# Altium PCB BMS.Pcb.PcbDoc (part 3 of 3)
Units mm, origin at the board's own origin, x right, y up, seen from the top; angles counter-clockwise.
Board outline 101.6 x 152.65 mm, 2 copper layers (Top Layer, Bottom Layer); 294 components, 149 nets, 690 pads, 917 vias.
Unrouted connection lines stored in the file: 52.
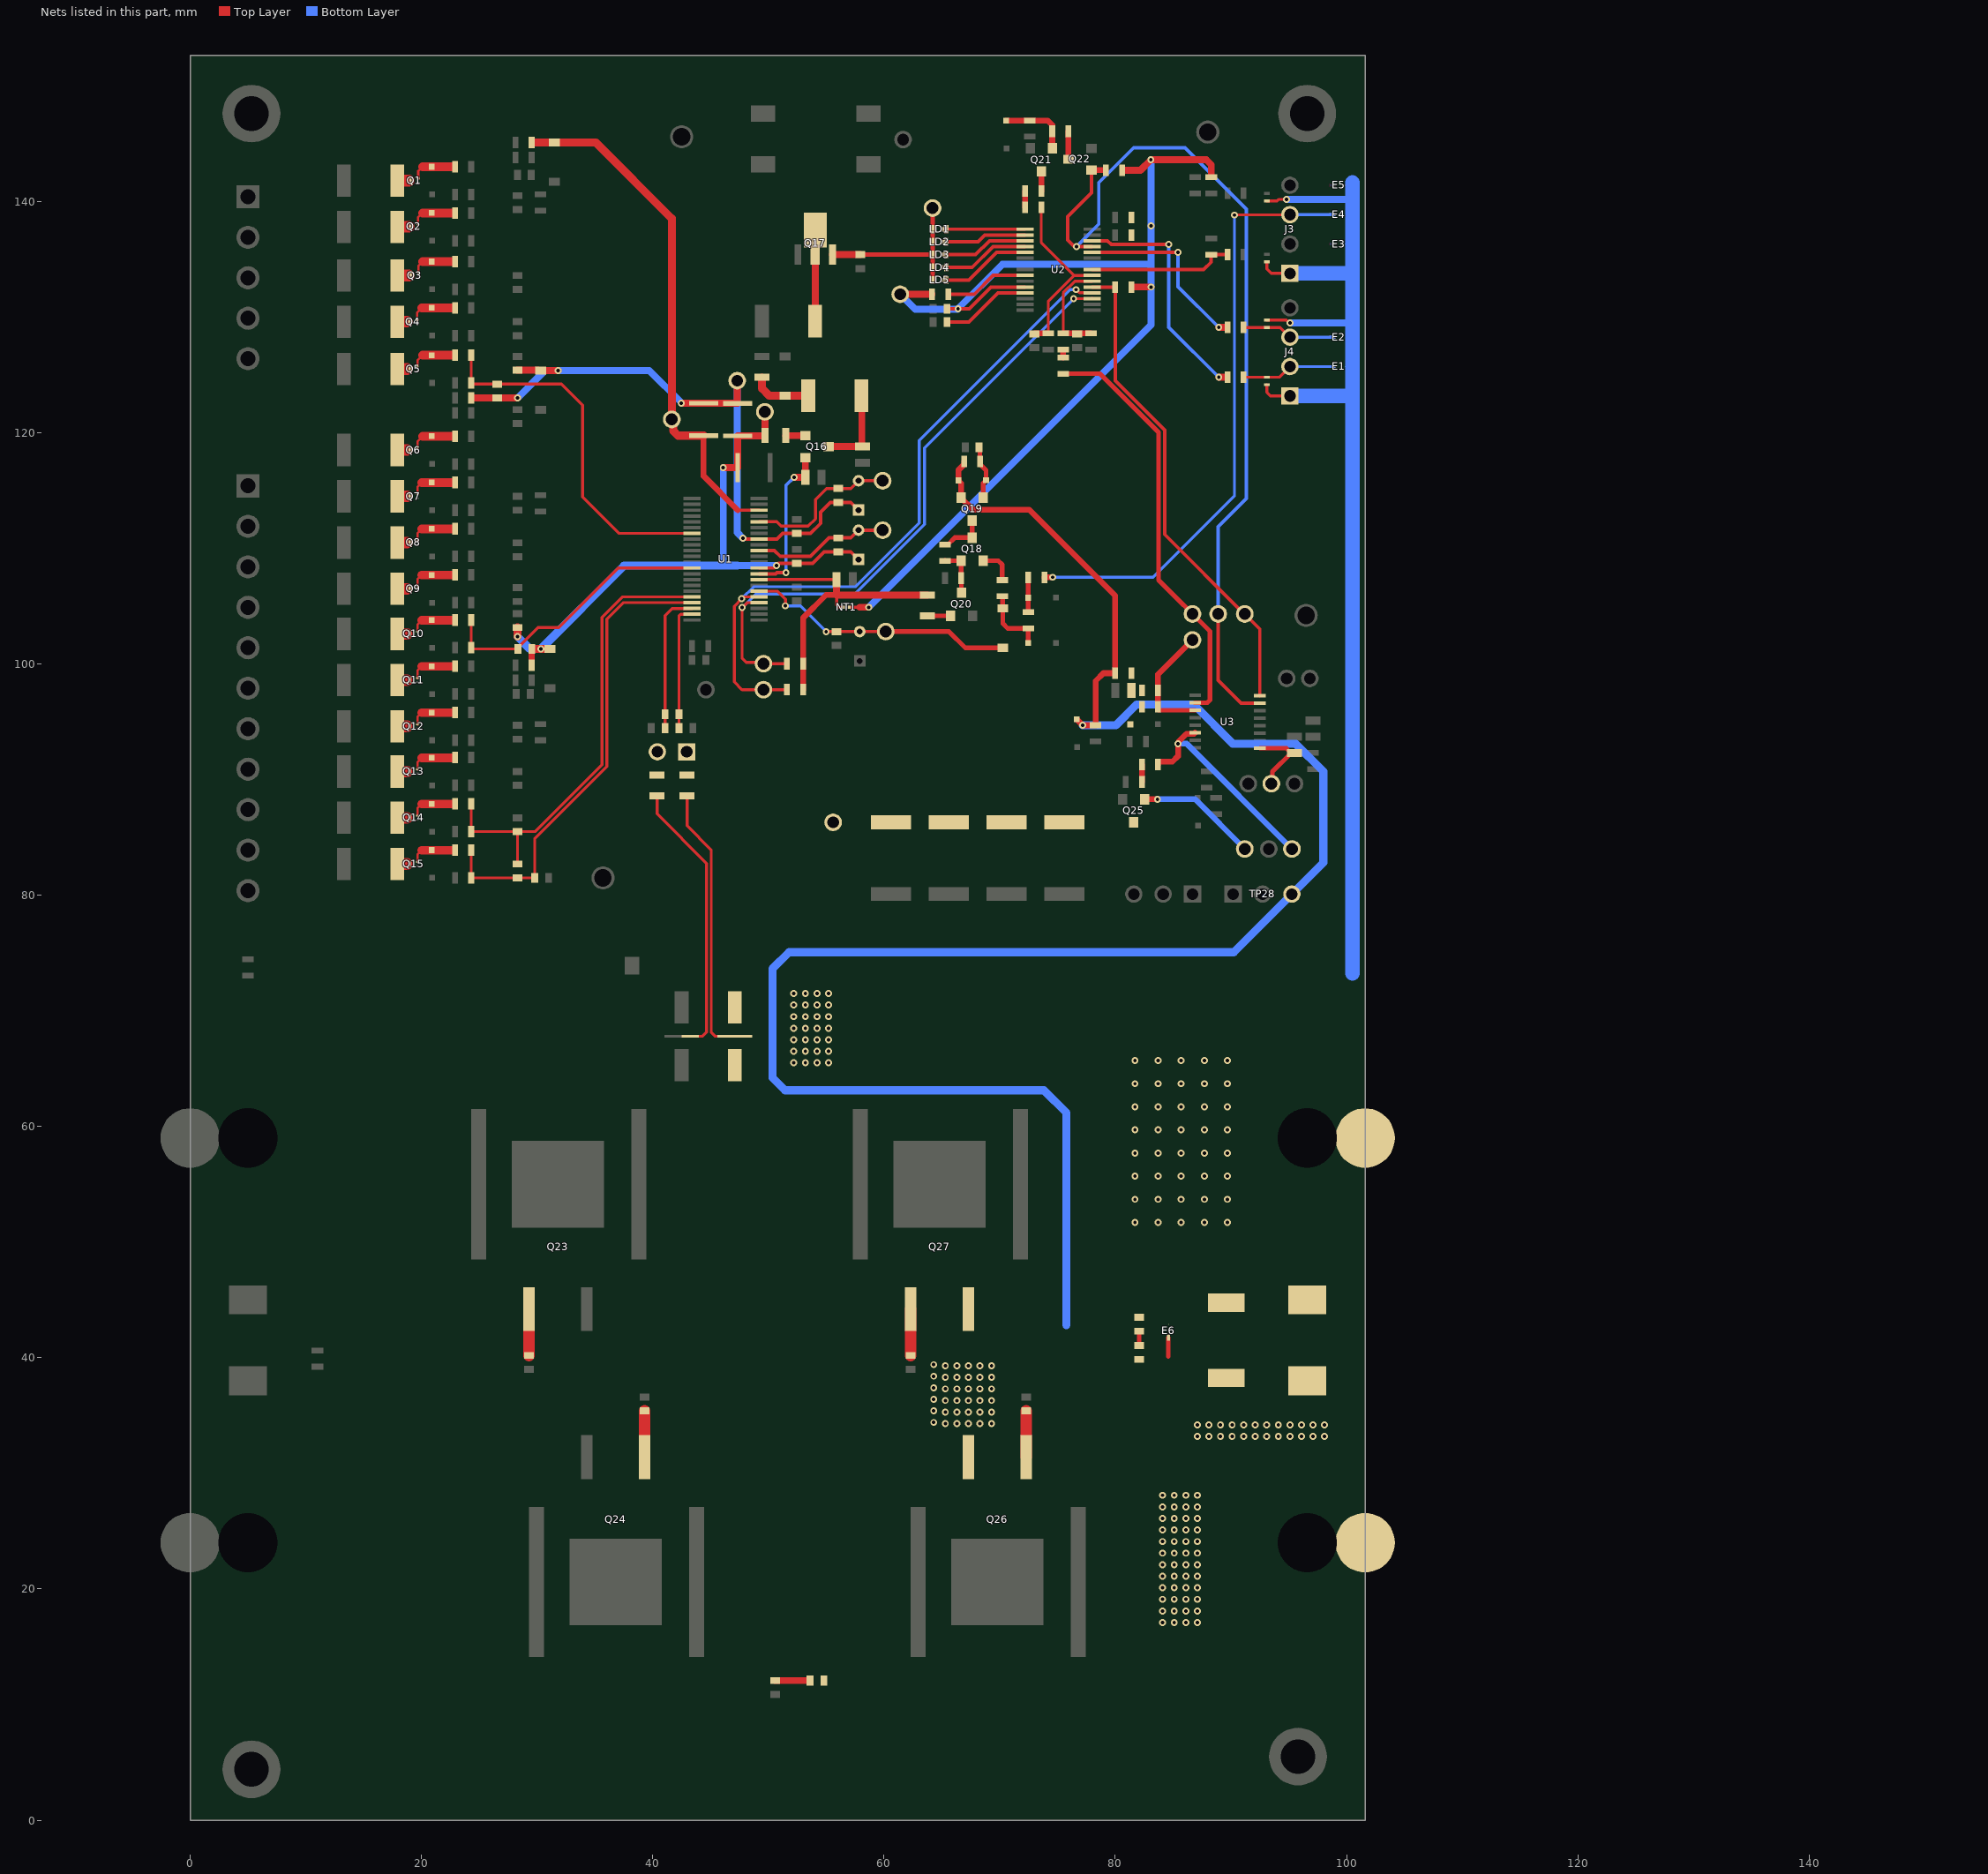
[diagram p3: the nets of this part, all layers, seen from the top]

## Via types
v1: diameter 0.6, hole 0.3, Top Layer to Bottom Layer, 917 vias

## Nets (pads, with @x,y where several pads share a name; then routed paths per layer and width w, separated by ;. In a path a pad name is that pad's centre, name@x,y a point inside that pad or via, vN(x,y) a via of type N, cw(c..) or ccw(c..) an arc to the next point about the centre after c; other vN are vias at no path point) (continued)
NetC14_1: C14.1 C15.2 R48.2 R49.2 U1.40 | length 40.2
  Top Layer w0.254: R48.2@24.3,87.9 R49.2@24.3,85.5 C14.1@28.3,85.5 ; C15.2@28.3,82.7 C14.1@28.3,85.5 ; U1.40@43.4,105.8 37.379,105.8 35.621,104.042 35.621,91.296 29.825,85.5 C14.1@28.3,85.5
NetC15_1: C15.1 C16.2 R50.2 R51.2 U1.41 | length 40.8
  Top Layer w0.254: R50.2@24.3,83.9 R51.2@24.3,81.5 C15.1@28.3,81.5 C16.2@29.8,81.5 29.8,84.904 36.025,91.129 36.025,103.875 37.45,105.3 U1.41@43.4,105.3
NetC17_2: C17.2 R26.2 R27.2 U1.29 | length 31.5
  Top Layer w0.254: R26.2@24.3,126.705 R27.2@24.3,124.305 24.405,124.2 C17.2@26.55,124.2 32.1,124.2 33.93,122.37 33.93,114.438 37.068,111.3 U1.29@43.4,111.3
NetC18_2: C18.2 R38.2 R39.2 U1.35 | length 24.3
  Top Layer w0.254: R38.2@24.3,103.8 R39.2@24.3,101.4 24.4,101.3 C18.2@28.175,101.3 ; C18.2@28.35,101.3 28.35,101.425 30.075,103.15 31.872,103.15 37.022,108.3 U1.35@43.4,108.3
NetC33_2: C33.2 Q16.2 U1.9 | length 13.6
  Top Layer w0.3: U1.9@49.2,107.8 50.625,107.8 50.725,107.9 v1(51.525,107.9)
  Top Layer w0.6: v1(52.225,116.15) C33.2@53.2,116.15 Q16.2@53.2,117.85
  Bottom Layer w0.3: v1(51.525,107.9) 51.525,115.45 v1(52.225,116.15)
NetC34_2: C34.2 Q16.3 R62.1 | length 7.3
  Top Layer w0.6: Q16.3@55.2,118.8 C34.2@58.087,118.8 ; R62.1@58.05,123.2 58.087,123.162 58.087,118.838 C34.2@58.125,118.8
NetC35_2: C35.2 LD1.2 LD2.2 LD3.2 LD4.2 LD5.2 Q17.3 TP16.1 | length 14.9
  Top Layer w0.4: C35.2@57.95,135.4 LD3.2@64.2,135.4 ; LD5.2@64.2,133.2 LD4.2@64.2,134.3 LD3.2@64.2,135.4 ; TP16.1@64.2,139.425 LD1.2@64.2,137.6 LD2.2@64.2,136.5 LD3.2@64.2,135.4
  Top Layer w0.6: Q17.3@55.55,135.4 C35.2@57.95,135.4
NetC36_2: C36.2 D23.2 Q19.1 R65.1 | length 4.7
  Top Layer w0.4: C36.2@68.225,118.725 68.292,118.658 68.292,117.283 68.825,116.75 D23.2@68.825,115.9 68.575,115.65 Q19.1@68.575,114.395
NetC37_2: C37.2 R77.2 R81.2 U2.7 | length 15.8
  Top Layer w0.254: R77.2@73.6,139.5 73.6,136.438 76.438,133.6 ; R81.2@74.2,128.6 74.2,131.362 76.438,133.6 ; U2.7@78,133.6 76.438,133.6
  Top Layer w0.5: C37.2@73,128.55 73.05,128.6 R81.2@74.2,128.6
NetC38_2: C38.2 R83.1 R84.2 U2.6 | length 8.8
  Top Layer w0.254: R83.1@75.5,128.6 75.5,132.091 76.509,133.1 U2.6@78,133.1
  Top Layer w0.5: R83.1@75.5,128.6 R84.2@77.9,128.6
NetC40_2: C40.2 U2.27 | length 7.8
  Top Layer w0.3: C40.2@65.45,129.575 67.337,129.575 69.862,132.1 U2.27@72.2,132.1
NetC43_1: C43.1 C44.2 | length 3
  Top Layer w0.6: C43.1@50.6,12.075 C44.2@53.6,12.075
NetC45_2: C45.2 R106.2 R108.1
NetC46_1: C46.1 C47.2 | length 1.3
  Top Layer w0.381: C47.2@82.075,41.05 C46.1@82.075,42.3
NetD1_1: D1.1 Q10.1 R38.1 | length 3.8
  Top Layer w0.2: Q10.1@19.65,102.763 Q10.1@19.65,102.775 19.65,103.413 20.025,103.788
  Top Layer w0.75: 20.025,103.788 22.625,103.788
NetD2_1: D2.1 Q1.1 R18.1 | length 3.7
  Top Layer w0.2: Q1.1@19.725,141.975 19.725,142.625 20.1,143
  Top Layer w0.75: 20.1,143 D2.1@20.9,143 22.625,143
NetD3_1: D3.1 Q2.1 R20.1 | length 3.7
  Top Layer w0.2: Q2.1@19.7,138 19.7,138.6 20.1,139
  Top Layer w0.75: 20.1,139 D3.1@20.9,139 22.625,139
NetD4_1: D4.1 Q3.1 R22.1 | length 3.7
  Top Layer w0.2: Q3.1@19.75,133.775 19.75,134.45 20.1,134.8
  Top Layer w0.75: 20.1,134.8 D4.1@20.9,134.8 22.625,134.8
NetD5_1: D5.1 Q4.1 R24.1 | length 3.8
  Top Layer w0.2: Q4.1@19.625,129.77 19.625,130.383 20.025,130.782
  Top Layer w0.75: 20.025,130.782 22.625,130.782
NetD6_1: D6.1 Q6.1 R30.1 | length 3.7
  Top Layer w0.2: Q6.1@19.65,118.675 19.65,119.25 20.1,119.7
  Top Layer w0.75: 20.1,119.7 22.625,119.7
NetD7_1: D7.1 Q7.1 R32.1 | length 3.8
  Top Layer w0.2: Q7.1@19.65,114.662 Q7.1@19.65,114.675 19.65,115.312 20.025,115.687
  Top Layer w0.75: 20.025,115.687 22.626,115.687
NetD8_1: D8.1 Q8.1 R34.1 | length 3.8
  Top Layer w0.2: Q8.1@19.65,110.662 19.65,111.313 20.025,111.687
  Top Layer w0.75: 20.025,111.687 22.625,111.687
NetD9_1: D9.1 Q9.1 R36.1 | length 3.8
  Top Layer w0.2: Q9.1@19.65,106.662 Q9.1@19.65,106.675 19.65,107.312 20.025,107.687
  Top Layer w0.75: 20.025,107.687 22.625,107.687
NetD10_1: D10.1 Q11.1 R42.1 | length 3.8
  Top Layer w0.2: Q11.1@19.65,98.763 Q11.1@19.65,98.775 19.65,99.413 20.025,99.788
  Top Layer w0.75: 20.025,99.788 22.625,99.788
NetD11_1: D11.1 Q12.1 R44.1 | length 4.5
  Top Layer w0.2: Q12.1@19.65,94.763 Q12.1@19.65,94.775 19.65,95.413 20.025,95.788 ; 20.2,95.8 D11.1@20.9,95.8
  Top Layer w0.75: 20.025,95.788 R44.1@22.661,95.788
NetD12_1: D12.1 Q13.1 R46.1 | length 3.8
  Top Layer w0.2: Q13.1@19.65,90.863 Q13.1@19.65,90.875 19.65,91.513 20.025,91.888
  Top Layer w0.75: 20.025,91.888 22.625,91.888
NetD13_1: D13.1 Q14.1 R48.1 | length 4.5
  Top Layer w0.2: Q14.1@19.65,86.863 Q14.1@19.65,86.875 19.65,87.513 20.025,87.888 ; 20.2,87.9 D13.1@20.9,87.9
  Top Layer w0.75: 20.025,87.888 22.625,87.888
NetD14_1: D14.1 Q15.1 R50.1 | length 3.8
  Top Layer w0.2: Q15.1@19.65,82.863 Q15.1@19.65,82.875 19.65,83.513 20.025,83.888
  Top Layer w0.75: 20.025,83.888 22.625,83.888
NetD15_1: D15.1 Q5.1 R26.1 | length 3.7
  Top Layer w0.2: Q5.1@19.65,125.68 19.65,126.255 20.1,126.705
  Top Layer w0.75: 20.1,126.705 22.625,126.705
NetD19_1: D19.1 R61.1 R62.2 | length 5.2
  Top Layer w0.7: R61.1@49.45,124.741 49.45,123.825 50.075,123.2 D19.1@51.45,123.2 R62.2@53.45,123.2
NetD20_2: D20.2 D21.1 R64.1 R66.1 | length 6
  Top Layer w0.4: R64.1@70.225,105.85 70.25,105.825 70.25,104.825 D20.2@70.275,104.8 70.275,103.5 70.7,103.075 R66.1@72.475,103.075 D21.1@72.475,101.8
NetD22_1: D22.1 R66.2 R68.1 | length 3
  Top Layer w0.4: R66.2@72.475,104.475 D22.1@72.475,105.725 R68.1@72.475,107.475
NetD28_2: D28.2 Q21.1 R80.1 R85.1 | length 5.9
  Top Layer w0.5: D28.2@70.575,147 R80.1@72.4,147 ; R80.1@72.6,147 74.15,147 74.55,146.6 74.55,145.825 Q21.1@74.55,144.6
NetD31_2: D31.2 R105.1
NetL1_2: L1.2 Q23.1 | length 4
  Top Layer w1: L1.2@29.3,40.2 Q23.1@29.3,44.2
NetL2_2: L2.2 Q24.1 | length 4
  Top Layer w1: Q24.1@39.3,31.4 L2.2@39.3,35.4
NetL3_2: L3.2 Q26.1 | length 4
  Top Layer w1: Q26.1@72.3,31.4 L3.2@72.3,35.4
NetL4_2: L4.2 Q27.1 | length 4
  Top Layer w1: L4.2@62.3,40.2 Q27.1@62.3,44.2
NetLD1_1: LD1.1 U2.16 | length 6.8
  Top Layer w0.3: LD1.1@65.4,137.6 U2.16@72.2,137.6
NetLD2_1: LD2.1 U2.17 | length 7
  Top Layer w0.3: LD2.1@65.4,136.5 68.125,136.5 68.725,137.1 U2.17@72.2,137.1
NetLD3_1: LD3.1 U2.18 | length 7.3
  Top Layer w0.3: LD3.1@65.4,135.4 67.925,135.4 69.125,136.6 U2.18@72.2,136.6
NetLD4_1: LD4.1 U2.19 | length 7.5
  Top Layer w0.3: LD4.1@65.4,134.3 67.625,134.3 69.425,136.1 U2.19@72.2,136.1
NetLD5_1: LD5.1 U2.20 | length 7.8
  Top Layer w0.3: LD5.1@65.4,133.2 67.325,133.2 69.725,135.6 U2.20@72.2,135.6
NetNT3_2: NT3.2 R56.1 | length 23.7
  Top Layer w0.254: R56.1@40.37,88.6 40.37,87.03 44.646,82.754 44.646,68.171 44.275,67.8 NT3.2@43.25,67.8
NetNT4_2: NT4.2 R57.1 | length 22.7
  Top Layer w0.254: R57.1@42.97,88.6 42.97,86.005 45.05,83.925 45.05,68.175 45.425,67.8 NT4.2@46.35,67.8
NetQ1_3: Q1.3 R7.2 | length 1
  Top Layer w1: R7.2@17.9,141.8 18.9,141.8
NetQ2_3: Q2.3 R8.2 | length 1
  Top Layer w1: R8.2@17.9,137.8 18.9,137.8
NetQ3_3: Q3.3 R9.2 | length 1
  Top Layer w1: R9.2@17.9,133.6 18.9,133.6
NetQ4_3: Q4.3 R10.2 | length 0.9
  Top Layer w1: R10.2@17.9,129.595 18.75,129.595
NetQ5_3: Q5.3 R11.2 | length 0.9
  Top Layer w1: R11.2@17.9,125.505 18.775,125.505
NetQ6_3: Q6.3 R12.2 | length 0.9
  Top Layer w1: R12.2@17.9,118.5 18.775,118.5
NetQ7_3: Q7.3 R13.2 | length 0.9
  Top Layer w1: R13.2@17.9,114.5 18.775,114.5
NetQ8_3: Q8.3 R14.2 | length 0.9
  Top Layer w1: R14.2@17.9,110.5 18.775,110.5
NetQ9_3: Q9.3 R15.2 | length 0.9
  Top Layer w1: R15.2@17.9,106.5 18.775,106.5
NetQ10_3: Q10.3 R2.2 | length 0.9
  Top Layer w1: R2.2@17.9,102.6 18.775,102.6
NetQ11_3: Q11.3 R3.2 | length 0.9
  Top Layer w1: R3.2@17.9,98.6 18.775,98.6
NetQ12_3: Q12.3 R1.2 | length 0.9
  Top Layer w1: R1.2@17.9,94.6 18.775,94.6
NetQ13_3: Q13.3 R4.2 | length 0.9
  Top Layer w1: R4.2@17.9,90.7 18.775,90.7
NetQ14_3: Q14.3 R5.2 | length 0.9
  Top Layer w1: R5.2@17.9,86.7 18.775,86.7
NetQ15_3: Q15.3 R6.2 | length 0.9
  Top Layer w1: R6.2@17.9,82.7 18.775,82.7
NetQ16_1: Q16.1 R59.2 | length 1.7
  Top Layer w0.6: R59.2@51.5,119.75 Q16.1@53.2,119.75
NetQ17_2: Q17.2 Q17.4 R63.1 | length 5.6
  Top Layer w0.6: R63.1@54.05,129.65 Q17.2@54.05,135.275
NetQ18_1: Q18.1 Q20.3 R69.2 R70.1 | length 4.2
  Top Layer w0.4: R70.1@65.275,108.95 65.287,108.937 66.663,108.937 Q18.1@66.675,108.925 R69.2@66.675,107.425 66.687,107.413 66.687,106.18 Q20.3@66.7,106.168
NetQ18_2: Q18.2 R64.2 | length 3.1
  Top Layer w0.4: Q18.2@68.575,108.925 69.875,108.925 70.225,108.575 R64.2@70.225,107.25
NetQ18_3: Q18.3 Q19.3 R70.2 | length 4.1
  Top Layer w0.4: R70.2@65.275,110.325 65.525,110.325 66.125,110.925 Q18.3@67.625,110.925 Q19.3@67.625,112.395
NetQ20_1: Q20.1 R67.2 | length 2
  Top Layer w0.4: R67.2@63.738,104.168 Q20.1@65.75,104.168
NetQ21_3: Q21.3 R74.2 | length 1.7
  Top Layer w0.5: R74.2@73.6,140.9 Q21.3@73.6,142.6
NetQ22_3: Q22.3 R85.2 | length 2.4
  Top Layer w0.5: Q22.3@75.95,143.65 R85.2@75.95,146.075
NetR72_2: R72.2 R76.2 U2.8 | length 12.6
  Top Layer w0.3: U2.8@78,134.1 87.65,134.1 88.3,134.75 R76.2@88.3,135.4 R72.2@89.7,135.4
NetR73_2: R73.2 U2.11 | length 16.1
  Top Layer w0.3: U2.11@78,135.6 v1(85.425,135.6)
  Top Layer w0.6: v1(88.95,129.1) R73.2@89.631,129.1
  Bottom Layer w0.3: v1(85.425,135.6) 85.425,132.625 v1(88.95,129.1)
NetR74_1: R74.1 R77.1 | length 1.4
  Top Layer w0.5: R77.1@72.2,139.5 R74.1@72.2,140.9
NetR75_2: R75.2 U2.13 | length 20.7
  Top Layer w0.3: U2.13@78,136.6 79.326,136.6 79.651,136.275 v1(84.625,136.275)
  Top Layer w0.6: v1(88.95,124.8) R75.2@89.635,124.8
  Bottom Layer w0.3: v1(84.625,136.275) 84.625,129.125 v1(88.95,124.8)
NetR82_1: R82.1 R83.2 | length 0.7
  Top Layer w0.5: R82.1@75.5,126.5 R83.2@75.5,127.2
NetR86_1: R86.1 U2.24 | length 7.3
  Top Layer w0.3: R86.1@65.55,131.975 67.812,131.975 69.437,133.6 U2.24@72.2,133.6
PACK: R105.2 R106.1 TP21.1 U3.11 | length 10.5
  Top Layer w0.381: R105.2@83.7,96.3 83.7,96.059 83.76,96 U3.11@86.9,96
  Top Layer w0.5: R105.2@83.7,96.3 R106.1@83.7,97.7 83.7,99.1 TP21.1@86.675,102.075
PACK+: C44.1 C47.1 D23.1 D32.2 D33.1 D34.1 E6.1 J8.1 Q19.2 Q26.3 Q27.3 R65.2 R107.2 R108.2 TP28.3 | length 174
  Top Layer w0.381: 84.6,40.114 E6.1@84.6,41.744
  Top Layer w0.5: R65.2@66.925,117.5 66.925,117.25 66.425,116.75 D23.1@66.425,115.875 66.675,115.625 Q19.2@66.675,114.395 66.675,114.345 67.67,113.35 72.55,113.35 80,105.9 R108.2@80,99.2 78.975,99.2 78.3,98.525 R107.2@78.3,94.7 v1(77.175,94.7) D32.2@76.675,95.2
  Bottom Layer w0.7: 75.775,42.825 75.775,61.175 73.825,63.125 51.45,63.125 50.35,64.225 50.35,73.642 51.783,75.075 90.25,75.075 TP28.3@95.275,80.1 98,82.825 98,90.7 95.6,93.1 90.163,93.1 86.763,96.5 81.85,96.5 80.05,94.7 v1(77.175,94.7)
  other v1: 84.1,17.1 85.1,17.1 86.1,17.1 87.1,17.1 84.1,18.1 85.1,18.1 86.1,18.1 87.1,18.1 84.1,19.1 85.1,19.1 86.1,19.1 87.1,19.1 84.1,20.1 85.1,20.1 86.1,20.1 87.1,20.1 84.1,21.1 85.1,21.1 86.1,21.1 87.1,21.1 84.1,22.1 85.1,22.1 86.1,22.1 87.1,22.1 84.1,23.1 85.1,23.1 86.1,23.1 87.1,23.1 84.1,24.1 85.1,24.1 86.1,24.1 87.1,24.1 84.1,25.1 85.1,25.1 86.1,25.1 87.1,25.1 84.1,26.1 85.1,26.1 86.1,26.1 87.1,26.1 84.1,27.1 85.1,27.1 86.1,27.1 87.1,27.1 84.1,28.1 85.1,28.1 86.1,28.1 87.1,28.1 87.1,33.2 88.1,33.2 89.1,33.2 90.1,33.2 91.1,33.2 92.1,33.2 93.1,33.2 94.1,33.2 95.1,33.2 96.1,33.2 97.1,33.2 98.1,33.2 87.1,34.2 88.1,34.2 89.1,34.2 90.1,34.2 91.1,34.2 92.1,34.2 93.1,34.2 94.1,34.2 95.1,34.2 96.1,34.2 97.1,34.2 98.1,34.2 65.3,34.3 66.3,34.3 67.3,34.3 68.3,34.3 69.3,34.3 64.3,34.4 65.3,35.3 66.3,35.3 67.3,35.3 68.3,35.3 69.3,35.3 64.3,35.4 65.3,36.3 66.3,36.3 67.3,36.3 68.3,36.3 69.3,36.3 64.3,36.4 65.3,37.3 66.3,37.3 67.3,37.3 68.3,37.3 69.3,37.3 64.3,37.4 65.3,38.3 66.3,38.3 67.3,38.3 68.3,38.3 69.3,38.3 64.3,38.4 65.3,39.3 66.3,39.3 67.3,39.3 68.3,39.3 69.3,39.3 64.3,39.4
PACK-: C46.2 D24.1 D25.1 D26.1 D27.1 D33.2 D34.2 E1.2 E2.2 E3.2 E4.2 E5.2 E6.2 J3.1 J4.1 J7.1 NT4.1 R98.2 R99.2 | length 99
  Top Layer w0.254: D24.1@93.1,124.15 93.1,123.5 93.42,123.18 J4.1@95.1,123.18 ; D25.1@93.1,129.75 94.778,129.75 95.028,129.5 v1(95.1,129.5) ; D26.1@93.1,134.775 93.1,134.175 93.495,133.78 J3.1@95.1,133.78 ; D27.1@93.1,140.05 93.992,140.05 94.117,140.175 v1(94.8,140.175)
  Bottom Layer w0.6: v1(94.8,140.175) 94.808,140.183 100.5,140.183 ; v1(95.1,129.5) 100.5,129.5
  Bottom Layer w1.27: J4.1@95.1,123.18 99.756,123.18 ; J3.1@95.1,133.78 100.5,133.78 ; 100.5,73.225 100.5,125.72 100.5,129.5 100.5,133.78 ; 100.5,141.625 100.5,140.183 100.5,133.78
  other v1: 81.7,51.7 83.7,51.7 85.7,51.7 87.7,51.7 89.7,51.7 81.7,53.7 83.7,53.7 85.7,53.7 87.7,53.7 89.7,53.7 81.7,55.7 83.7,55.7 85.7,55.7 87.7,55.7 89.7,55.7 81.7,57.7 83.7,57.7 85.7,57.7 87.7,57.7 89.7,57.7 81.7,59.7 83.7,59.7 85.7,59.7 87.7,59.7 89.7,59.7 81.7,61.7 83.7,61.7 85.7,61.7 87.7,61.7 89.7,61.7 81.7,63.7 83.7,63.7 85.7,63.7 87.7,63.7 89.7,63.7 52.2,65.5 53.2,65.5 54.2,65.5 55.2,65.5 81.7,65.7 83.7,65.7 85.7,65.7 87.7,65.7 89.7,65.7 52.2,66.5 53.2,66.5 54.2,66.5 55.2,66.5 52.2,67.5 53.2,67.5 54.2,67.5 55.2,67.5 52.2,68.5 53.2,68.5 54.2,68.5 55.2,68.5 52.2,69.5 53.2,69.5 54.2,69.5 55.2,69.5 52.2,70.5 53.2,70.5 54.2,70.5 55.2,70.5 52.2,71.5 53.2,71.5 54.2,71.5 55.2,71.5
PACKDIV: R82.2 TP22.1 U3.10 | length 36.7
  Top Layer w0.4: R82.2@75.5,125.1 78.675,125.1 83.75,120.025 83.75,107.25 88.187,102.813 88.187,96.884 87.953,96.65 U3.10@86.9,96.65
PCHG: R103.1 TP19.1 U3.14 | length 18.8
  Top Layer w0.5: R103.1@83.7,91.3 83.7,91.55 84.951,91.55 85.425,92.024 v1(85.425,93.1) 85.444,93.119 85.444,93.241 86.153,93.95 86.8,93.95 U3.14@86.9,94.05
  Bottom Layer w0.5: v1(85.425,93.1) 86.175,93.1 TP19.1@95.275,84
PCHG_EN: R88.1 TP30.1 U2.5 U3.8 | length 42.6
  Top Layer w0.3: U2.5@78,132.6 R88.1@80,132.6 80,124.487 84.275,120.212 84.275,111.2 91.15,104.325 TP30.1@91.2,104.325 92.5,103.025 U3.8@92.5,97.25
PDRAIN: Q25.3 R95.1 R96.1 R97.1 R100.1 TP26.1 | length 0
PGATE: Q25.1 R101.1 R103.2 TP25.1 | length 11.9
  Top Layer w0.5: R101.1@82.3,89.8 82.3,91.05 R103.2@82.3,91.3 ; Q25.1@82.55,88.3 v1(83.65,88.3)
  Bottom Layer w0.5: v1(83.65,88.3) 86.9,88.3 TP25.1@91.2,84
PMON_EN: Q22.1 R89.1 TP32.1 U2.12 U3.7 | length 79.3
  Top Layer w0.3: Q22.1@77.95,142.7 77.95,140.75 75.875,138.675 75.875,136.675 76.45,136.1 v1(76.634,136.1) U2.12@78,136.1 ; TP32.1@88.9,104.325 88.9,98.575 90.875,96.6 U3.7@92.5,96.6
  Top Layer w0.5: Q22.1@77.95,142.7 R89.1@79.2,142.7
  Bottom Layer w0.3: v1(76.634,136.1) 78.575,138.041 78.575,141.636 81.589,144.65 86.036,144.65 91.35,139.336 91.35,114.325 88.9,111.875 TP32.1@88.9,104.325
REGOUT: C29.2 NT1.1 R58.2 R60.2 R67.1 U1.8 | length 27.4
  Top Layer w0.254: U1.8@49.161,107.3 C29.2@55.9,107.3 ; 55.9,106.046 55.9,105.968 55.9,105.104 56.104,104.9 NT1.1@56.496,104.9
  Top Layer w0.5: R60.2@53,97.775 R58.2@53,100.025 53,103.975 54.993,105.968 55.9,105.968
  Top Layer w0.6: 55.9,105.968 R67.1@63.738,105.968 ; 55.9,106.046 C29.2@55.9,107.3
SCL: R60.1 TP3.1 U1.5 U2.4 | length 59.5
  Top Layer w0.254: U1.5@49.2,105.8 47.85,105.8 v1(47.7,105.65) 47.05,105 47.05,98.45 47.725,97.775 TP3.1@49.575,97.775 R60.1@51.6,97.775 ; v1(76.6,132.375) 76.634,132.375 76.909,132.1 U2.4@78,132.1
  Bottom Layer w0.254: v1(47.7,105.65) 48.725,106.675 57.528,106.675 63.05,112.197 63.05,119.325 76.1,132.375 v1(76.6,132.375)
SDA: R58.1 TP2.1 U1.4 U2.3 | length 55.3
  Top Layer w0.254: U1.4@49.2,105.3 48.166,105.3 47.742,104.876 v1(47.725,104.876) 47.725,100.499 48.099,100.125 49.475,100.125 TP2.1@49.575,100.025 R58.1@51.6,100.025 ; v1(76.398,131.586) 76.405,131.593 77.993,131.593 U2.3@78,131.6
  Bottom Layer w0.254: v1(47.725,104.876) 47.742,104.876 48.916,106.05 57.474,106.05 63.498,112.074 63.498,118.686 v1(76.398,131.586)
SMBC: D24.2 E1.1 J4.2 R75.1 | length 8.1
  Top Layer w0.254: R75.1@91.1,124.8 D24.2@93.1,124.8 94.18,124.8 J4.2@95.1,125.72
  Bottom Layer w0.254: J4.2@95.1,125.72 E1.1@98.776,125.72
SMBD: D25.2 E2.1 J4.3 R73.1 | length 8
  Top Layer w0.254: R73.1@91.1,129.1 D25.2@93.1,129.1 94.243,129.1 95.083,128.26 J4.3@95.1,128.26
  Bottom Layer w0.254: J4.3@95.1,128.26 E2.1@98.776,128.26
SRN: C20.2 C22.1 R57.2 TP1.1 U1.43 | length 10.9
  Top Layer w0.254: C22.1@42.27,94.45 C20.2@42.27,95.65 42.27,104.151 42.419,104.3 U1.43@43.4,104.3
SRP: C19.2 C20.1 R56.2 TP1.2 U1.42 | length 12.3
  Top Layer w0.254: C19.2@41.07,94.45 C20.1@41.07,95.65 41.07,104.195 41.675,104.8 U1.42@43.4,104.8
TS1: C25.2 D20.1 RT3.2 TP15.1 U1.6 | length 23.4
  Top Layer w0.254: U1.6@49.2,106.3 50.773,106.3 51.475,105.598 v1(51.475,105.023) ; v1(54.993,102.8) C25.2@55.9,102.8 RT3.2@57.9,102.8 TP15.1@60.15,102.8
  Top Layer w0.4: TP15.1@60.15,102.8 65.625,102.8 67.025,101.4 D20.1@70.275,101.4
  Bottom Layer w0.254: v1(51.475,105.023) 52.77,105.023 v1(54.993,102.8)
TS2: C24.1 RT2.2 TP13.1 U1.13 | length 11.8
  Top Layer w0.3: U1.13@49.2,109.8 50.526,109.8 51.026,109.3 53.65,109.3 55.25,110.9 57.13,110.9 RT2.2@57.8,111.57 TP13.1@59.883,111.57
TS3: C23.1 RT1.2 TP11.1 U1.18 | length 13.4
  Top Layer w0.254: U1.18@49.2,112.3 50.734,112.3 51.111,111.923 53.448,111.923 54.075,112.55 54.075,114.226 55.024,115.175 57.13,115.175 RT1.2@57.8,115.845 TP11.1@59.883,115.845
VC5x: C10.1 C18.1 C24.2 C27.2 C31.1 C32.2 D18.1 R40.2 R59.1 RT2.1 TP14.1 U1.10 | length 55.7
  Top Layer w0.3: U1.10@49.2,108.3 50.495,108.3 v1(50.695,108.5) 50.895,108.7 C27.2@52.45,108.7 53.825,108.7 54.825,109.7 C24.2@56.05,109.7 ; C24.2@55.923,109.7 57.13,109.7 RT2.1@57.8,109.03
  Top Layer w0.5: R40.2@29.525,99.9 C18.1@29.525,101.275
  Top Layer w0.6: v1(46.1,116.975) C32.2@47.35,116.975 C31.1@47.35,119.725 47.362,119.737 49.7,119.737 R59.1@49.7,119.75 TP14.1@49.7,121.8
  Top Layer w0.7: v1(28.3,102.375) C10.1@28.3,103.15 ; 29.85,101.3 v1(30.325,101.3) D18.1@31.125,101.3
  Bottom Layer w0.6: 46.1,108.5 v1(46.1,116.975) ; 47.3,108.5 v1(50.695,108.5)
  Bottom Layer w0.7: v1(28.3,102.375) 29.375,101.3 v1(30.325,101.3) 37.525,108.5 46.1,108.5 47.3,108.5
VC10x: C5.1 C17.1 C23.2 C26.2 C30.1 C31.2 D17.1 R28.2 RT1.1 TP12.1 U1.15 | length 56.3
  Top Layer w0.3: v1(47.802,110.866) 47.883,110.866 47.949,110.8 50.737,110.8 51.237,111.3 C26.2@52.45,111.3 53.65,111.3 54.502,112.152 54.502,113.127 55.35,113.975 C23.2@56.05,113.975 57.13,113.975 RT1.1@57.8,113.305
  Top Layer w0.6: R28.2@24.375,123 C17.1@26.55,123 v1(28.3,123) ; C5.1@28.3,125.4 D17.1@30.075,125.4 ; D17.1@30.3,125.375 v1(31.825,125.375) ; v1(42.475,122.55) C30.1@44.4,122.55 C31.2@47.35,122.55 ; C31.2@47.3,122.655 TP12.1@47.3,124.5
  Bottom Layer w0.6: v1(28.3,123) 30.675,125.375 v1(31.825,125.375) 39.7,125.375 42.475,122.6 v1(42.475,122.55) ; TP12.1@47.3,124.5 47.3,111.368 v1(47.802,110.866)
VC15x: C30.2 D16.1 R16.2 TP10.1 U1.20 | length 45.3
  Top Layer w0.3: 47.35,113.3 U1.20@49.2,113.3
  Top Layer w0.5: C30.2@44.4,119.75 44.4,116.25 47.35,113.3
  Top Layer w0.7: 29.8,145.1 D16.1@31.5,145.1 35.075,145.1 41.65,138.525 TP10.1@41.65,121.15 41.778,121.022 41.778,120.16 42.188,119.75 C30.2@44.4,119.75
VCC: C39.2 NT1.2 R78.2 R86.2 R87.2 R88.2 R89.2 R90.2 TP8.1 U2.26 | length 95
  Top Layer w0.254: 57.125,104.9 57.8,104.9
  Top Layer w0.3: C39.2@65.45,130.725 v1(66.4,130.725) 67.375,130.725 69.25,132.6 U2.26@72.2,132.6
  Top Layer w0.6: 57.9,104.9 v1(58.675,104.9) ; TP8.1@61.4,131.975 R86.2@64.15,131.975 ; R89.2@80.68,142.7 82.175,142.7 v1(83.075,143.6) 87.875,143.6 88.299,143.176 R78.2@88.299,142.172 ; 81.675,132.6 v1(83.1,132.6)
  Bottom Layer w0.6: v1(58.675,104.9) 83.1,129.325 v1(83.1,132.6) 83.1,134.575 ; TP8.1@61.4,131.975 62.7,130.675 66.35,130.675 v1(66.4,130.725) 70.25,134.575 83.1,134.575 ; v1(83.075,143.6) 83.1,143.575 v1(83.1,137.875) 83.1,134.575
VDDCP: C42.2 TP23.1 U3.1 | length 6.5
  Top Layer w0.381: U3.1@92.5,92.7 94.8,92.7 C42.2@95.2,92.3 ; TP23.1@93.5,89.65 93.587,89.737 93.587,90.687 C42.2@95.2,92.3 ; C42.2@95.5,92.3 C42.2@95.2,92.3
WAKE: E4.1 J3.3 R68.2 | length 52.2
  Top Layer w0.254: v1(90.3,138.825) 90.317,138.842 95.082,138.842 J3.3@95.1,138.86
  Top Layer w0.5: R68.2@73.875,107.475 73.875,107.5 v1(74.575,107.5)
  Bottom Layer w0.254: v1(74.575,107.5) 83.275,107.5 90.3,114.525 v1(90.3,138.825) ; J3.3@95.1,138.86 E4.1@98.776,138.86
pads on no net: E1. E2. E3. E4. E5. E6. H1.0 H5.0 H8.0 H11.0 J4.4 NT1. U1.21 U1.22 U1.23 U2.1 U2.10 U2.29 U3.3 U3.13 U3.15

## Polygon pours and split planes (outlines as drawn)
BATT+ on Top Layer "Top Layer-BATT+" (solid, pour order 39): 50.95,0.3 52.025,1.375 52.025,10.376 51.179,11.225 50.175,11.225 48.35,13.05 29.3,13.05 27.975,14.375 27.975,27.375 29.25,28.65 35.925,28.65 37.7,30.425 37.7,44.675 36.275,46.1 32.425,46.1 31.15,44.825 31.15,38.65 29.775,37.275 28.95,37.275 26.8,39.425 1.725,39.425 0.296,37.996 0.296,1.979 1.975,0.3
BATT- on Top Layer "NONET_L-01_P-001" (solid, pour order 38): 1.125,73.275 42.45,73.275 43.1,72.625 43.1,68.9 42.275,68.075 42.275,67.525 43.1,66.7 43.1,63.475 42.5,62.875 22.575,62.875 21.4,61.7 21.4,45 18.725,42.325 1.926,42.325 0.616,43.633 0.593,72.742
GND on Top Layer "NONET_L-01_P-001" (solid, remove dead copper, pour order 44): 28.125,76.3 28.125,150.25 30.525,152.65 99.175,152.65 101.6,150.225 101.6,76.44 99.585,74.425 30,74.425
PDRAIN on Top Layer "NONET_L-01_P-001" (solid, pour order 27): 54.925,86.675 54.925,85.95 55.15,85.725 82,85.725 82.1,85.825 82.1,86.775 81.95,86.925 77.225,86.925 55.175,86.925
C15 on Top Layer "Top Layer-C15" (solid, pour order 46): 4.2,139 11.3,139 12.7,140.4 13.9,140.4 13.9,143.2 13.65,143.5 12.95,143.5 12.675,143.2 11.973,143.2 11.245,142.4 4.228,142.4 3.6,141.772 3.6,139.6
BATT+ on Top Layer "NONET_L-01_P-001" (solid, pour order 28): 58.82,80.7 58.82,79.5 81.97,79.5 82.183,79.712 82.183,80.487 81.971,80.7
CD on Top Layer "NONET_L-01_P-001" (solid, pour order 42): 22.4,44.75 22.4,61.2 23.075,61.875 72.25,61.875 73.3,60.825 73.3,48.175 72.45,47.325 61.8,47.325 60.8,46.325 60.8,30.95 64.125,27.625 77.175,27.625 78.05,26.75 78.05,14.525 77.1,13.575 29.775,13.575 28.725,14.625 28.725,27.125 29.5,27.9 39.15,27.9 40.775,29.525 40.775,42.85 37.025,46.6 29,46.6 26.4,44 23.15,44
PACK+ on Top Layer "NONET_L-01_P-001" (solid, pour order 41): 80.266,40.114 100.391,40.158 101.2,39.351 101.2,1.9 99.65,0.35 55.325,0.35 54.475,1.2 54.475,12.625 54.95,13.1 77.65,13.1 78.925,14.375 78.925,26.825 77.55,28.2 75.075,28.2 73.7,29.575 73.7,36.75 73.125,37.325 71.075,37.325 70.225,36.475 70.225,29.575 68.975,28.325 65.175,28.325 63.625,29.875 63.625,44.825 65.45,46.65 73.73,46.65
PACK- on Top Layer "NONET_L-01_P-001" (solid, pour order 40): 100.3,42.75 101.3,43.75 101.3,71.85 99.875,73.275 47.15,73.275 46.5,72.625 46.5,68.775 47.1,68.175 47.1,67.3 46.912,67.112 46.5,66.7 46.5,63.475 47.1,62.875 72.225,62.875 74.1,61 74.1,47.175 78.075,43.2 83.7,43.2 84.15,42.75
NetBT1_1 on Top Layer "NONET_L-01_P-001" (solid, pour order 22): 57.6,148.3 57.6,142.5 60.125,142.5 62,144.375 62.575,144.95 62.575,145.7 61.975,146.3 59.975,148.3
VCC on Top Layer "NONET_L-01_P-001" (solid, pour order 21): 82.65,139.075 83.525,138.2 83.525,137.525 82.6,136.6 81.15,136.6 81.15,139.1 82.625,139.1
C10 on Top Layer "NONET_L-01_P-001" (solid, pour order 17): 23.15,123.5 21.275,123.5 21,123.225 21,121.475 21.275,121.2 23.15,121.2
C14 on Top Layer "NONET_L-01_P-001" (solid, pour order 15): 4.2,135.6 3.6,136.2 3.6,137.6 4.2,138.2 11.7,138.2 12.7,139.2 13.9,139.2 13.9,136.4 13.1,135.6
C13 on Top Layer "NONET_L-01_P-001" (solid, pour order 14): 3.6,132.7 4.1,132.2 13.9,132.2 13.9,135 4.2,135 3.6,134.4
C12 on Top Layer "NONET_L-01_P-001" (solid, pour order 13): 4.4,128.2 3.6,129 3.6,130.472 4.128,131 13.9,131 13.9,128.2
C11 on Top Layer "NONET_L-01_P-001" (solid, pour order 12): 11.6,124.1 10.9,124.8 4.1,124.8 3.6,125.3 3.6,127.4 3.8,127.6 13.2,127.6 13.9,126.9 13.9,124.8 13.9,124.1
C10 on Top Layer "NONET_L-01_P-001" (solid, pour order 11): 3.8,114.428 4.128,114.1 7.6,114.1 10.6,117.1 13.9,117.1 13.9,119.9 9.3,119.9 6.2,116.8 4.2,116.8 3.8,116.4
C9 on Top Layer "NONET_L-01_P-001" (solid, pour order 10): 3.8,111.4 3.8,112.7 4.4,113.3 7.3,113.3 9.9,115.9 13.9,115.9 13.9,113.1 12.7,113.1 10.9,113.1 8.55,110.75 4.357,110.75
C8 on Top Layer "NONET_L-01_P-001" (solid, pour order 9): 3.8,107.8 4.4,107.2 9.7,107.2 11.6,109.1 13.9,109.1 13.9,111.9 10.3,111.9 8,109.6 4.4,109.6 3.8,109
C7 on Top Layer "NONET_L-01_P-001" (solid, pour order 8): 3.8,104.9 3.8,104.5 4.6,103.7 10.6,103.7 12,105.1 13.9,105.1 13.9,107.9 11.2,107.9 9.5,106.2 4.4,106.2 3.8,105.6
C6 on Top Layer "NONET_L-01_P-001" (solid, pour order 7): 3.8,101.4 3.8,101 4.6,100.2 11.6,100.2 12.6,101.2 13.9,101.2 13.9,104 11.7,104 10.4,102.7 4.4,102.7 3.8,102.1
C5 on Top Layer "NONET_L-01_P-001" (solid, pour order 6): 3.8,97.9 3.8,97.5 4.6,96.7 13.4,96.7 13.9,97.2 13.9,100 12.5,100 11.7,99.2 4.4,99.2 3.8,98.6
C4 on Top Layer "NONET_L-01_P-001" (solid, pour order 5): 3.8,93.7 3.8,95.2 4.6,96 13.9,96 13.9,93.2 4.3,93.2
C3 on Top Layer "NONET_L-01_P-001" (solid, pour order 4): 3.6,89.7 3.6,91.7 4,92.1 13.9,92.1 13.9,92 13.9,89.3 4,89.3
C1 on Top Layer "NONET_L-01_P-001" (solid, pour order 3): 3.6,83.2 3.6,84.7 3.9,85 11.5,85 12.4,84.1 13.9,84.1 13.9,81.3 7.4,81.3 5.9,82.8 4,82.8
C2 on Top Layer "NONET_L-01_P-001" (solid, pour order 1): 3.6,86.4 3.6,88.2 3.9,88.5 13.5,88.5 13.9,88.1 13.9,85.3 12.55,85.3 11.95,85.9 4.1,85.9
BATT+ on Bottom Layer "Bottom Layer-BATT+" (solid, pour order 37): 50.95,0.3 52.025,1.375 52.025,11.974 50.953,13.05 29.3,13.05 27.975,14.375 27.975,27.375 29.25,28.65 36.45,28.65 38.2,30.4 38.2,40.9 36.4,42.7 31.15,42.7 31.15,38.65 29.775,37.275 28.95,37.275 26.8,39.425 1.725,39.425 0.296,37.996 0.296,1.979 1.975,0.3
BATT- on Bottom Layer "NONET_L-01_P-001" (solid, pour order 30): 2.124,74.275 45.075,74.275 45.5,73.85 45.5,65.75 44.725,64.975 21.958,64.975 19.475,62.492 19.475,43.075 18.5,42.1 2.151,42.1 0.616,43.633 0.593,72.742
GND on Bottom Layer "NONET_L-01_P-001" (solid, remove dead copper, pour order 47): 22.825,142.988 22.825,149.6 25.875,152.65 99.175,152.65 101.6,150.225 101.6,81.325 97.375,77.1 27.213,77.1 22.825,81.488
CD on Bottom Layer "NONET_L-01_P-001" (solid, pour order 35): 22.625,45.025 22.625,60.525 23.525,61.425 72.95,61.425 74,60.375 74,48.375 73.05,47.425 64.525,47.425 60.8,43.7 60.8,30.45 63.625,27.625 77.175,27.625 78.05,26.75 78.05,14.525 77.1,13.575 29.775,13.575 28.725,14.625 28.725,27.125 29.5,27.9 39.15,27.9 40.275,29.025 40.275,41.575 37.45,44.4 23.25,44.4
PACK+ on Bottom Layer "NONET_L-01_P-001" (solid, pour order 34): 80.195,40.185 100.32,40.229 101.2,39.351 101.2,1.9 99.65,0.35 55.325,0.35 54.475,1.2 54.475,12.625 54.95,13.1 77.65,13.1 78.925,14.375 78.925,26.825 77.55,28.2 74.35,28.2 72.725,29.825 72.725,36.725 72.125,37.325 71.075,37.325 70.475,36.725 70.475,29.825 69.725,29.075 64.425,29.075 63.125,30.375 63.125,43.725 65.6,46.2 74.18,46.2
PACK- on Bottom Layer "NONET_L-01_P-001" (solid, pour order 33): 99.55,42 101.3,43.75 101.3,71.775 101.3,75.225 99.884,75.178 98.825,74.25 51.95,74.25 51.2,73.5 51.2,64.775 52.15,63.825 74.15,63.825 76.275,61.7 76.275,45 79.275,42

## Keep-outs
Keep-Out Layer:
  lines w0.5: 151.674,0 152,0.326 ; 0,0 0,152.654 101.6,152.654 101.6,0 0,0

## Other copper
Top Layer:
  region net C15: 70.225,144.8 70.225,143.55 70.375,143.4 70.85,143.4 71.6,144.15 73.1,144.15 73.1,145.85 71.275,145.85
  region net NetD31_2: 82.55,96.8 82.55,95.8 82.05,95.8 81.55,95.3 81.55,94.525 81.05,94.525 81.05,95.8 82.05,96.8
  region net NetC45_2: 81.15,99.7 81.65,99.7 81.65,98.45 81.9,98.2 82.55,98.2 82.55,97.2 82.4,97.05 81.05,97.05 81.05,98.35 81.15,98.45
  region net CGATE: 89.225,88.175 89.225,88.725 88.4,89.55 87.4,89.55 86.875,89.025 86.875,88.175 87.375,88.175 87.375,88.55 88.225,88.55 88.225,88.175
  pour cut-out: 78.654,127.4 79.694,127.4 79.694,129.025 79.669,129 78.55,129 78.55,127.504
  pour cut-out: 89.425,135.958 89.054,136.329 87.338,136.329 87.206,136.197 87.206,135.625 89.343,135.625 89.425,135.707
  pour cut-out: 80.303,88.047 78.725,89.625 78.725,99.625 82.928,103.828 94.22,103.828 97.25,100.798 97.25,90.075 95.226,88.051
  pour cut-out: 97.75,90.5 97.75,79.3 97.025,78.575 81.885,78.575 81.146,79.314 81.149,85.571 82.036,85.571 82.05,87.071 82.021,87.071 81.146,87.087 81.141,89.891 81.75,90.5
  pour cut-out: 71.9,134.1 71.9,135.1 70.85,135.1 70.85,134.125 70.825,134.1
  pour cut-out: 58.45,108.38 58.45,108 56.2,108 56.2,108.375
  pour cut-out: 58.45,112.655 58.45,111.85 58.34,111.74 57.167,111.74 57.167,112.633 57.15,112.65
  pour cut-out: 52.7,123.71 52.7,126.15 48.7,126.15 48.7,122.15
  pour cut-out: 52.025,100.65 50.875,100.65 50.875,105.518 50.875,106.518 52.025,106.518
  pour cut-out: 44.3,99.675 44.3,98.425 43.953,98.425 43.4,98.978 43.4,99.664
  pour cut-out: 40.125,96.075 43.175,96.075 43.175,89.35 43.625,88.9 43.625,88.275 39.775,88.275 39.725,88.325 39.725,89.005 40.125,89.405
  pour cut-out: 70.186,142.528 70.207,147.377 75.55,147.377 75.55,146.475 76.325,146.475 76.325,145.354 77.471,145.354 77.471,141.698 71.012,141.698
  region net CD: 81.15,90.325 81.15,87.95 81.05,87.85 80.25,87.85 80.25,88.75 80.65,89.15 80.65,90.325
  region net PGATE: 82.05,90.325 82.05,87.95 82.15,87.85 82.95,87.85 82.95,88.75 82.55,89.15 82.55,90.325
  region net NetQ17_2: 54.45,134.525 53.65,134.525 53.65,136.025 53.05,136.025 53.05,139.025 55.05,139.025 55.05,136.025 54.45,136.025
  pour cut-out: 57.6,146.9 59.675,146.9 59.675,143.775 57.6,143.775
  region net SRN: 41.965,94.875 41.965,90.45 42.315,90.1 43.624,90.1 43.865,90.341 43.865,92.975 42.565,94.275 42.565,94.875
  region net SRP: 41.375,94.875 41.375,90.45 41.025,90.1 39.716,90.1 39.475,90.341 39.475,92.725 40.775,94.025 40.775,94.875
  region net ALERT: 42.65,103.95 44.15,103.95 44.15,103.025 43.7,102.575 43.7,99.925 43.1,99.925 43.1,102.525 42.65,102.975
Bottom Layer:
  pour cut-out: 77.2,81.7 77.175,81.725 77.175,94.7 78.749,96.274 96.926,96.274 99.875,93.325 99.875,83.375 95.113,78.613 80.113,78.613 79.975,78.475

## Silkscreen, mask and mechanical layers (free items; w line width, h text height)
Top Overlay:
  drawing of 23 lines, arcs and shapes, not listed
  text "CELL C15" at 9.704,144.554 h1
  text "SMBD / SMBC / PACK-" at 91.475,142.05 h0.6
  text "/KEY / WAKE / /SYSPRES / PACK-" at 87.687,118.517 h0.6
  text "CELL C0" at 1.754,75.504 h1
  text "DANGER HIGH VOLTAGE" at 70.675,67.05 h1
  text "PACK-" at 91.1,64.75 h1
  text "BATT-" at 11,58.2 h1
  text "PACK+" at 91.1,29.75 h1
  text "CAUTION HOT SURFACE" at 44.988,28.2 h1
  text "BATT+" at 11,23.2 h1
  text "15 CELLS BMS DESIGNED BY ARDA B." at 59.425,3.575 h1
Bottom Overlay:
  drawing of 19 lines, arcs and shapes, not listed
  text "15 CELLS BMS DESIGNED BY ARDA B." at 75.475,68.775 h1
  text "CAUTION HOT SURFACE" at 59.599,29.875 h1.5